# Altium PCB AMS_LV.PcbDoc (part 1 of 2)
Units mm, origin at the board's own origin, x right, y up, seen from the top; angles counter-clockwise.
Board outline 96.8 x 127.1 mm, 2 copper layers (Top Layer, Bottom Layer); 108 components, 81 nets, 367 pads, 182 vias.
Unrouted connection lines stored in the file: 4.
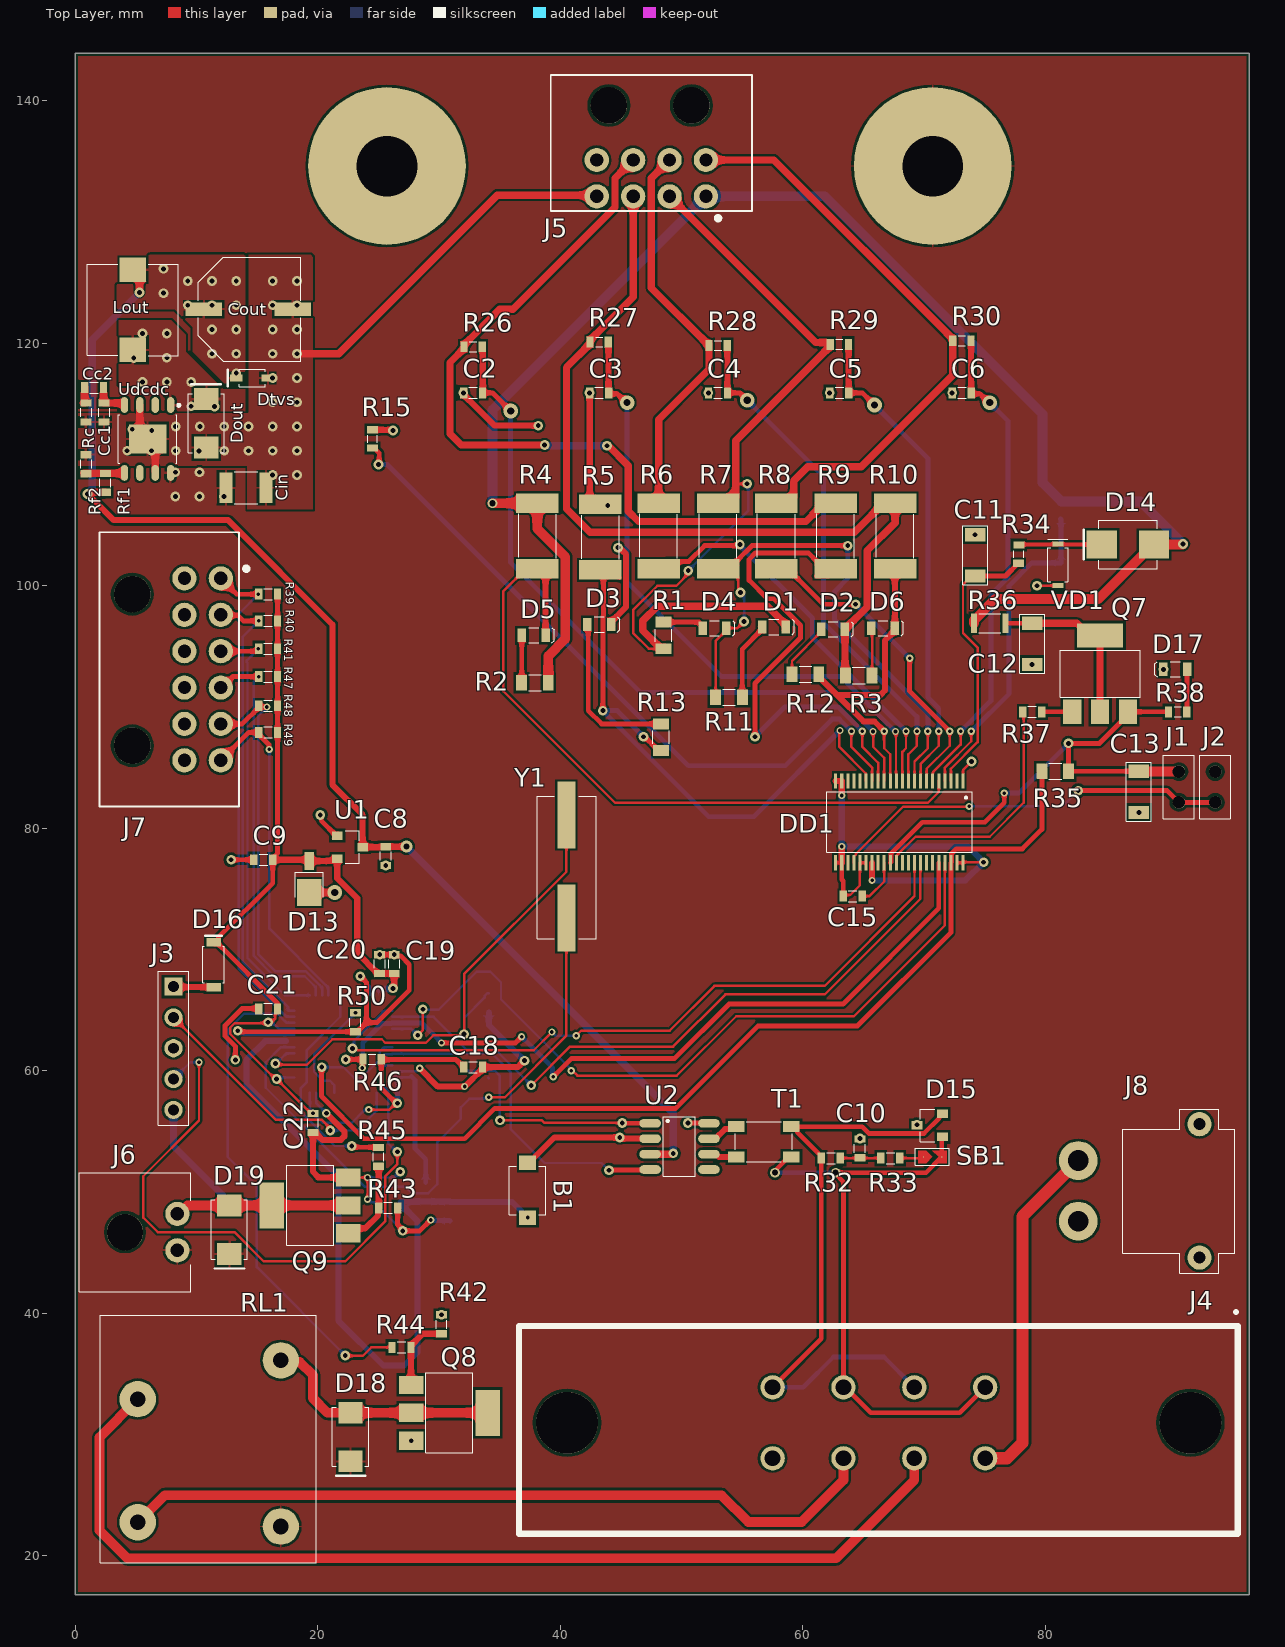
[diagram p0: Top Layer view]
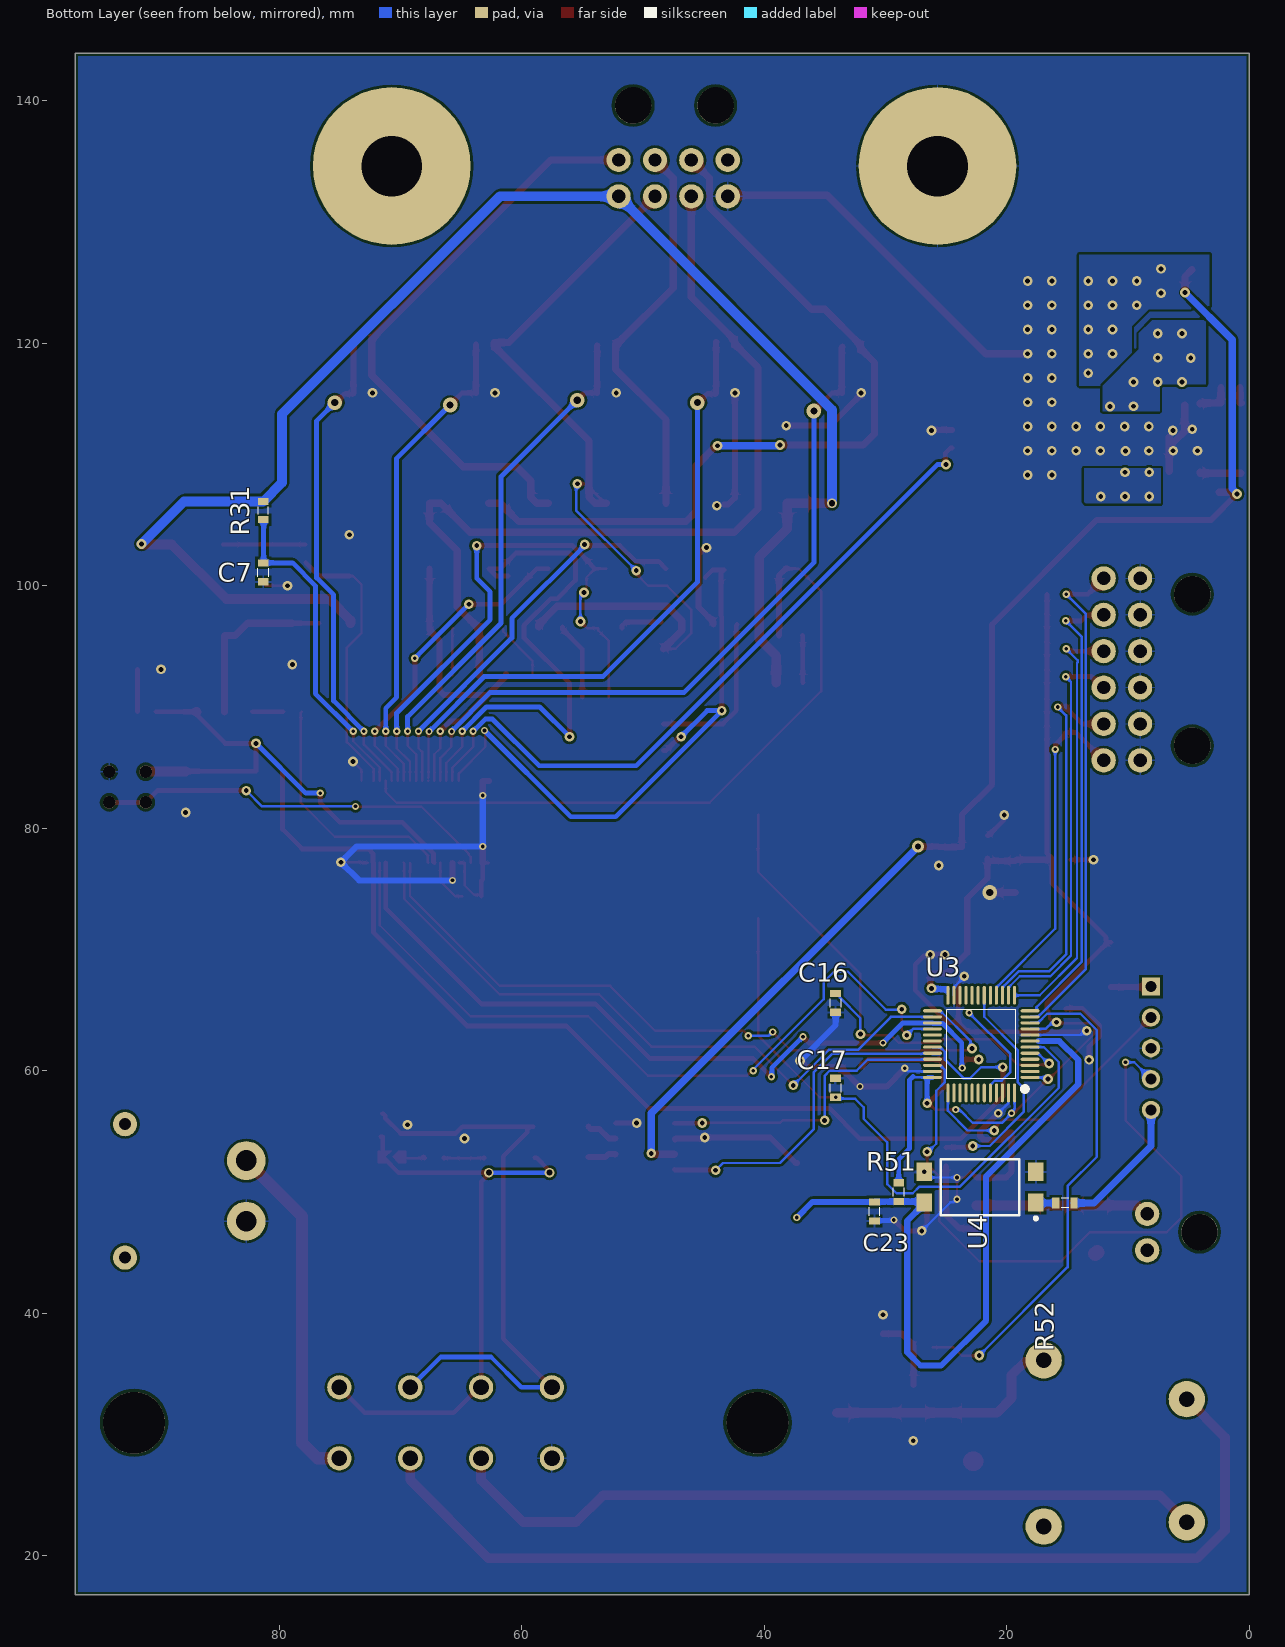
[diagram p1: Bottom Layer view, seen from below]
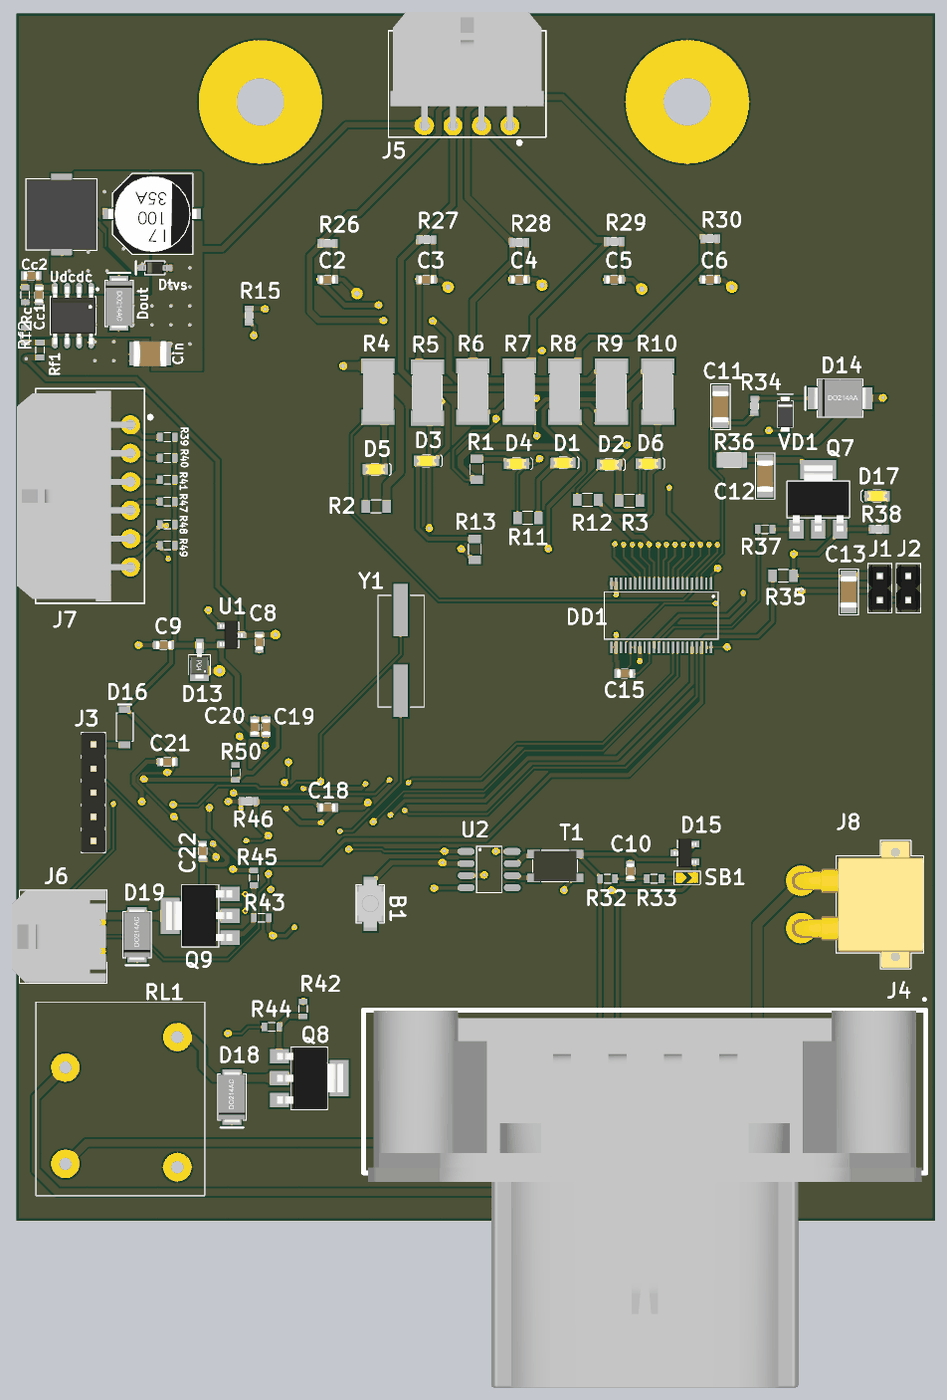
[diagram p3: 3D render of the assembled board from above, using the file's embedded part models]
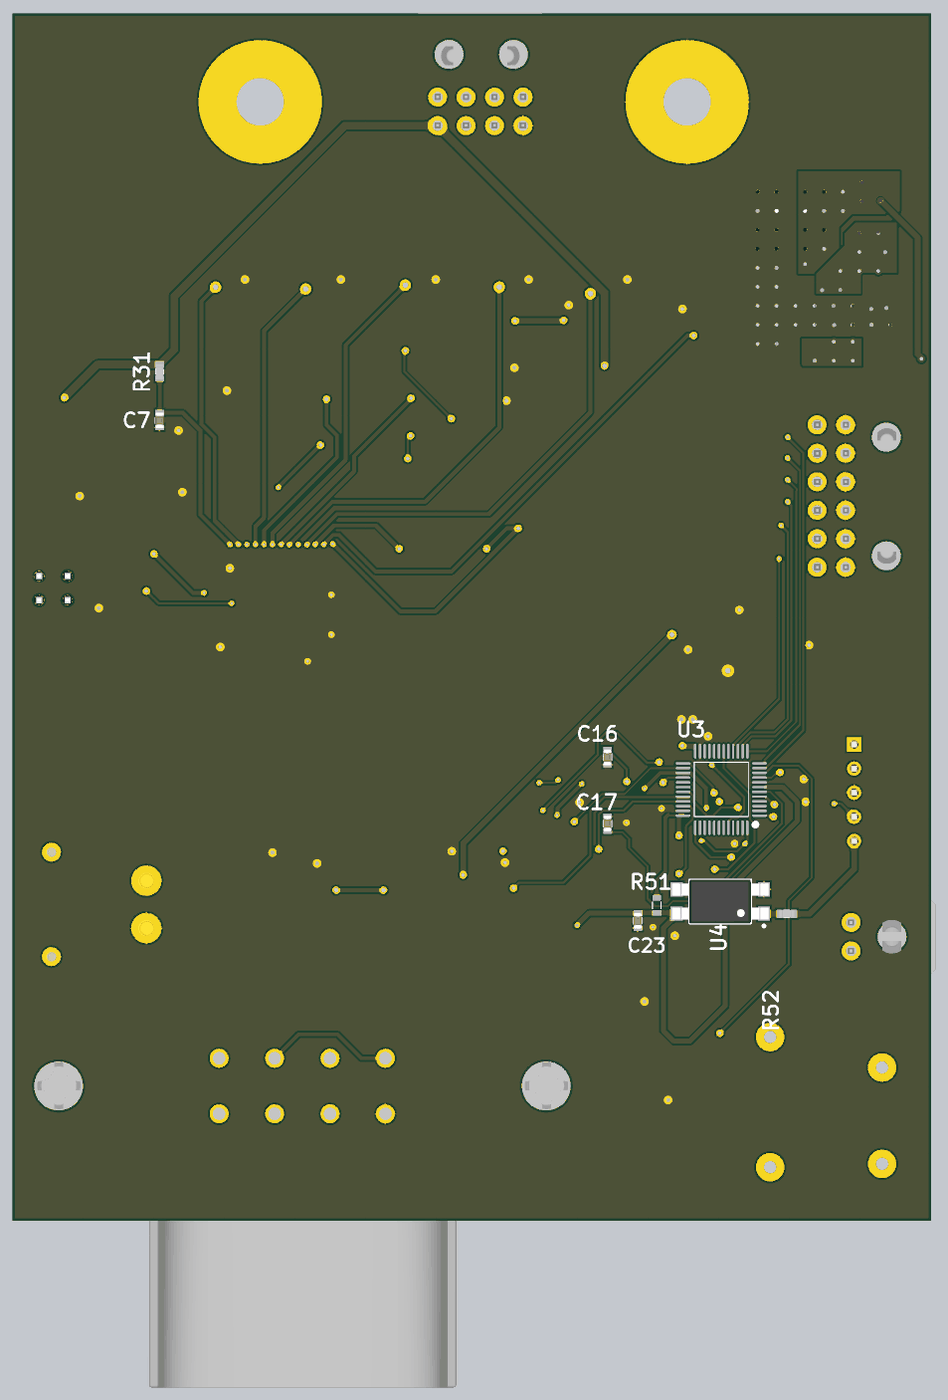
[diagram p4: 3D render of the assembled board from below, using the file's embedded part models]

## Layer stack, top to bottom
Top Solder: solder mask 0.0102, Solder Resist, Dk 3.5
Top Layer: signal copper 0.0356
Dielectric 1: dielectric 0.32, FR-4, Dk 4.8
Bottom Layer: signal copper 0.0356
Bottom Solder: solder mask 0.0102, Solder Resist, Dk 3.5

## Board outline
0,16.8 0,143.9 96.8,143.9 96.8,16.8

## Design rules (kind name [scope] priority, off if disabled: settings)
AcuteAngle [All] p1: minimum=3.50000000000000E+0001 checktracksonly=FALSE
BoardOutlineClearance "BoardOutlineClearance 1" [All] p1: gap=0.25 ignorepadtopadclearanceinfootprint=FALSE except(0: Arc-SplitContinuation Track-SplitContinuation SMDPad-SplitContinuation THPad-SplitContinuation Via-SplitContinuation Fill-SplitContinuation Poly-SplitContinuation Region-SplitContinuation Text-SplitContinuation) // Milling
Clearance "Clearance-1 1/2 Oz" [All] p1: gap=0.125 ignorepadtopadclearanceinfootprint=FALSE except(0.2: Arc-Fill Arc-Poly Track-Fill Track-Poly SMDPad-SMDPad SMDPad-Fill SMDPad-Poly THPad-Fill THPad-Poly Via-Fill Via-Poly Fill-Fill Fill-Poly Poly-Poly Poly-Region Poly-Text; 0.25: Arc-Hole Track-Hole SMDPad-Hole THPad-Hole Via-Hole Fill-Hole Poly-Hole Region-Hole Text-Hole) // Standart
ComponentClearance [All] p1: gap=0.1 collisioncheckmode=3 verticalgap=0.1 showdistances=FALSE
DiffPairsRouting "DiffPairsRouting 1/2 Oz" [All] p1: maxlimit=0.254 minlimit=0.125 mostfreqgap=0.254 toplayer_minwidth=0.125 toplayer_maxwidth=0.381 toplayer_prefwidth=0.381 bottomlayer_minwidth=0.125 bottomlayer_maxwidth=0.381 bottomlayer_prefwidth=0.381 maxuncoupledlength=12.7
Height [All] p1: minheight=0 maxheight=100 prefheight=12.7
HoleSize "Minimum HoleSize" [IsPad] p1: absolutevalues=TRUE maxlimit=5.9 minlimit=0.6 maxpercent=80.000 minpercent=20.000
HoleSize "Minimum HoleSize VIA 1" [IsVia] p2: absolutevalues=TRUE maxlimit=5.9 minlimit=0.3 maxpercent=80.000 minpercent=20.000 // Standart
HoleToHoleClearance Hole2HoleClearance [All] p1: gap=0.25 allowstackedmicrovias=FALSE
MinimumAnnularRing "Minimum AR VIA Standart" [All] p1: minimumring=0.15
MinimumAnnularRing "Minimum AR PAD Standart" [All] p2: minimumring=0.2
MinimumSolderMaskSliver "SolderMask Bridge Standart" [All] p1: minsoldermaskwidth=0.15 // All Masks
PlaneClearance "PlaneClearance-1 1/2 Oz" [All] p1: clearance=0.2 // Standart
PlaneConnect "TermalConnect-1 1/2 Oz" [All] p1: planeconnectstyle=Relief reliefexpansion=0.2 reliefentries=4 reliefconductorwidth=0.2 reliefairgap=0.2 // Standart
PolygonConnect "PolygonConnect-1 1/2 Oz" [All] p1: thpad.connectstyle=Relief thpad.reliefconductorwidth=0.15 thpad.reliefentries=4 thpad.polygonreliefangle="90 Angle" thpad.airgapwidth=0.2 smdpad.connectstyle=Relief smdpad.reliefconductorwidth=0.2 smdpad.reliefentries=4 smdpad.polygonreliefangle="90 Angle" smdpad.airgapwidth=0.2 via.connectstyle=Direct via.reliefconductorwidth=0.254 via.reliefentries=4 via.polygonreliefangle="90 Angle" via.airgapwidth=0.254 // Standart
RoutingCorners [All] p1 off: cornerstyle=45-Degree minsetback=2.54 maxsetback=2.54
RoutingVias [All] p1: holewidth=0.4 width=0.8 viastyle="Through Hole" minholewidth=0.3 minwidth=0.6 maxholewidth=5.9 maxwidth=8.9
SilkToSilkClearance Silk2SilkClearance [All] p1 off: silktosilkclearance=0.15
SilkToSolderMaskClearance Silk2SolderMaskClearance [IsPad] p1 off: minsilkscreentomaskgap=0.15 clearancetoexposedcopper=TRUE
SolderMaskExpansion SolderMaskExpansion-1 [All] p1: expansion=0.05 istentingtop=FALSE // Standart
UnRoutedNet [All] p1: checkbadconnections=TRUE
Width "Width 1/2 Oz" [All] p1: maxlimit=10 minlimit=0.125 preferedwidth=0.254 checkconnectedcopper=TRUE
18 further rules are at their usual default settings.

## Classes and differential pairs
component class AMS_LV_6: B1 C2 C3 C4 C5 C6 C7 C8 C9 C10 C11 C12 C13 C15 C16 C17 C18 C19 C20 C21 C22 C23 D1 D2 D3 D4 D5 D6 D13 D14 D15 D16 D17 D18 D19 DD1 J1 J2 J3 J4 J5 J6 J7 J8 Q7 Q8 Q9 R1 R2 R3 R4 R5 R6 R7 R8 R9 R10 R11 R12 R13 R15 R26 R27 R28 R29 R30 R31 R32 R33 R34 R35 R36 R37 R38 R39 R40 R41 R42 R43 R44 R45 R46 R47 R48 R49 R50 R51 R52 RL1 SB1 T1 U1 U4 VD1 y Y1
differential pair CAN: +CAN_P -CAN_N

## Components (designator, comment, footprint, x,y, rotation, side; value= is the part's Value field where it differs from the comment)
B1 "But" "BUTTON 4x3" 37.3,47.9 r180 top
C2 "10nF" "0603 Capicator" 32.8,115.9 r180 top
C3 "10nF" "0603 Capicator" 43.2,115.9 r180 top
C4 "10nF" "0603 Capicator" 53,115.9 r180 top
C5 "10nF" "0603 Capicator" 63,115.9 r180 top
C6 "10nF" "0603 Capicator" 73.1,115.9 r180 top
C7 "10nF" "0603 Capicator" 81.3,101.1 r270 bottom
C8 "1uF" "0603 Capicator" 25.6,77.7 r90 top
C9 "1uF" "0603 Capicator" 15.5,77.4 r0 top
C10 "4.7uF" "0603 Capicator" 64.7,53.6 r270 top
C11 "0.1µF" "Cap 0.1µF (1206)" 74.2,102.5 r270 top
C12 "0.1µF" "Cap 0.1µF (1206)" 78.9,95.2 r90 top
C13 "1uF" "Cap 0.1µF (1206)" 87.7,83 r90 top
C15 "1uF" "0603 Capicator" 64.1,74.4 r0 top
C16 "10pF" "0603 Capicator" 34.1,65.6 r270 bottom
C17 "10pF" "0603 Capicator" 34.1,58.6 r90 bottom
C18 "0.1uF" "0603 Capicator" 32.8,60.3 r180 top
C19 "0.1uF" "0603 Capicator" 26.3,68.8 r270 top
C20 "0.1uF" "0603 Capicator" 25.1,68.8 r270 top
C21 "0.1uF" "0603 Capicator" 15.9,65.1 r0 top
C22 "10nF" "0603 Capicator" 19.6,55.7 r90 top
C23 "0.1uF" "0603 Capicator" 30.9,48.4 r270 bottom
Cc1 "220pF" "0603 Capicator" 2.375,114.275 r90 top
Cc2 "22nF" "0603 Capicator" 1.55,116.325 r0 top
Cin "10uF" "1210 CAPACITOR" 14.075,108.075 r0 top
Cout "330uF" "Bar Cap 8x10.5" 17.925,122.8 r270 top
D1 "LedR" "0805 LED" 57.6,96.6 r0 top
D2 "LedR" "0805 LED" 62.475,96.4 r0 top
D3 "LedR" "0805 LED" 43.2,96.8 r0 top
D4 "LedR" "0805 LED" 52.7,96.5 r0 top
D5 "LedR" "0805 LED" 37.8,95.9 r0 top
D6 "LedR" "0805 LED" 66.6,96.5 r0 top
D13 "TVS 3.3V" DO-216AA 19.3,75.8 r90 top
D14 "Diode" SMB 86.8,103.4 r180 top
D15 "TVS" SOT-23 71.5,54.55 r90 top
D16 "Diode" sod-123 11.4,66.9 r90 top
D17 "LedG" "0805 LED" 90.7,93.1 r180 top
D18 "Diode" SMA 22.7,29.8 r270 top
D19 "Diode" SMA 12.7,46.9 r270 top
DD1 "LTC6810" LTC6810-1 67.7,80.525 r270 top
Dout "Diode" SMA 10.8,113.4 r90 top
Dtvs "TVS 5V" sod-323 15.875,117.125 r180 top
J1 "PLS-2" "Conn PLS-2" 91,83.4 r0 top
J2 "PLS-2" "Conn PLS-2" 94,83.4 r0 top
J3 "Conn 5 (PLS)" "PLS 5x1" 8.1,66.94 r270 top
J4 "MX150L" "Conn4x2 [MX150L]" 57.5,33.9 r0 top
J5 "Microfit" Microfit_4x2 52,132.1 r180 top
J6 "Conn2x1" "MolexMicroFit 2x1" 8.42,48.2 r270 top
J7 "Microfit" Microfit_6x2 12,100.6 r270 top
J8 "XT30" "HEADER 2 XT30PW Male" 82.7,52.6 r270 top
Lout "15uH" "Inductor 7x7" 4.75,122.75 r90 top
Q7 "NPN" SOT-223 84.5,89.6 r0 top
Q8 "NPN" SOT-223 27.7,31.8 r270 top
Q9 "NPN" SOT-223 22.5,48.9 r90 top
R1 "75R" "0805 Resistor" 48.5,95.9 r270 top
R2 "75R" "0805 Resistor" 37.9,92 r0 top
R3 "75R" "0805 Resistor" 64.6,92.6 r180 top
R4 "39R" "2512 Resistor" 38.1,104.1 r90 top
R5 "39R" "2512 Resistor" 43.3,104 r90 top
R6 "39R" "2512 Resistor" 48.1,104.1 r90 top
R7 "39R" "2512 Resistor" 53,104.1 r90 top
R8 "39R" "2512 Resistor" 57.8,104.1 r90 top
R9 "39R" "2512 Resistor" 62.7,104.1 r90 top
R10 "39R" "2512 Resistor" 67.6,104.1 r90 top
R11 "75R" "0805 Resistor" 53.9,90.8 r180 top
R12 "75R" "0805 Resistor" 60.2,92.7 r0 top
R13 "75R" "0805 Resistor" 48.3,87.5 r270 top
R15 "100R" "RES 100R (603)" 24.5,112.1 r0 top
R26 "100R" "RES 100R (603)" 32.8,119.7 r90 top
R27 "100R" "RES 100R (603)" 43.2,120.1 r90 top
R28 "100R" "RES 100R (603)" 53,119.8 r90 top
R29 "100R" "RES 100R (603)" 63,119.9 r90 top
R30 "100R" "RES 100R (603)" 73.1,120.2 r90 top
R31 "100R" "RES 100R (603)" 81.3,106.2 r180 bottom
R32 "62R" "0603 Resistor" 62.3,52.8 r180 top
R33 "62R" "0603 Resistor" 67.2,52.8 r180 top
R34 "10R" "RES 10R (603)" 77.8,102.6 r180 top
R35 "1M" "0805 Resistor" 80.8,84.7 r0 top
R36 "100R" "Res 100R (1206)" 77,96.1 r90 top
R37 "0R" "0603 Resistor" 78.9,89.6 r0 top
R38 "300R" "Res 300R (603)" 90.9,89.6 r270 top
R39 "10k" "0603 Resistor" 15.9,99.3 r0 top
R40 "10k" "0603 Resistor" 15.9,97.1 r0 top
R41 "10k" "0603 Resistor" 15.9,94.8 r0 top
R42 "10k" "0603 Resistor" 30.2,39.1 r90 top
R43 "10k" "0603 Resistor" 25.8,48.7 r0 top
R44 "1k" "0603 Resistor" 26.9,37.2 r180 top
R45 "1k" "0603 Resistor" 25,52.9 r90 top
R46 "5.1k" "RES 5.1k (603)" 24.5,61 r90 top
R47 "10k" "0603 Resistor" 15.9,92.5 r0 top
R48 "10k" "0603 Resistor" 15.9,90.1 r0 top
R49 "10k" "0603 Resistor" 15.9,87.9 r0 top
R50 "3.9k" "0603 Resistor" 23.1,64 r270 top
R51 "10k" "0603 Resistor" 28.9,50 r90 bottom
R52 "300R" "Res 300R (603)" 15.2,49.1 r90 bottom
Rc "4.7k" "0603 Resistor" 0.9,114.28 r90 top
Rf1 "11k" "0603 Resistor" 2.475,108.475 r270 top
Rf2 "3.3k" "0603 Resistor" 0.9,110.02 r270 top
RL1 "Relay" "Relay(834-1A-B-C 24VDC)" 11.1,29.2 r270 top
SB1 "Circuit Breaker" "SB 0603" 70.8,52.9 r180 top
T1 "ACT45B" ACT45B 53.825,52.9 r0 top
U1 "LDO 3.3V" SOT-23 21.6,79.4 r270 top
U2 "CAN_Rx/Tx" SO-8 47.4,55.67 r0 top
U3 "STM32F103C8T6" LQFP48 22.1,62.2 r0 bottom
U4 "Opt" "Optocupler [LTV-817S]" 22.2,50.4 r0 bottom
Udcdc "DC/DC" HSOP-8 5.96,112.1 r270 top
VD1 "TVS 26V" "TVS Diode 26V [SMF26A]" 81.1,101.9 r90 top
Y1 "8MHz" hc-49sm 40.5,72.6 r90 top
